# Altium PCB HAL.PcbDoc
Units mil, origin at the board's own origin, x right, y up, seen from the top; angles counter-clockwise.
Board outline 6000.17 x 4710.28 mil, 4 copper layers (Top Layer, MGND, Vcc, MGND (Bottom)), stack 23.756 mil thick; 122 components, 65 nets, 365 pads, 77 vias.
Unrouted connection lines stored in the file: 1.
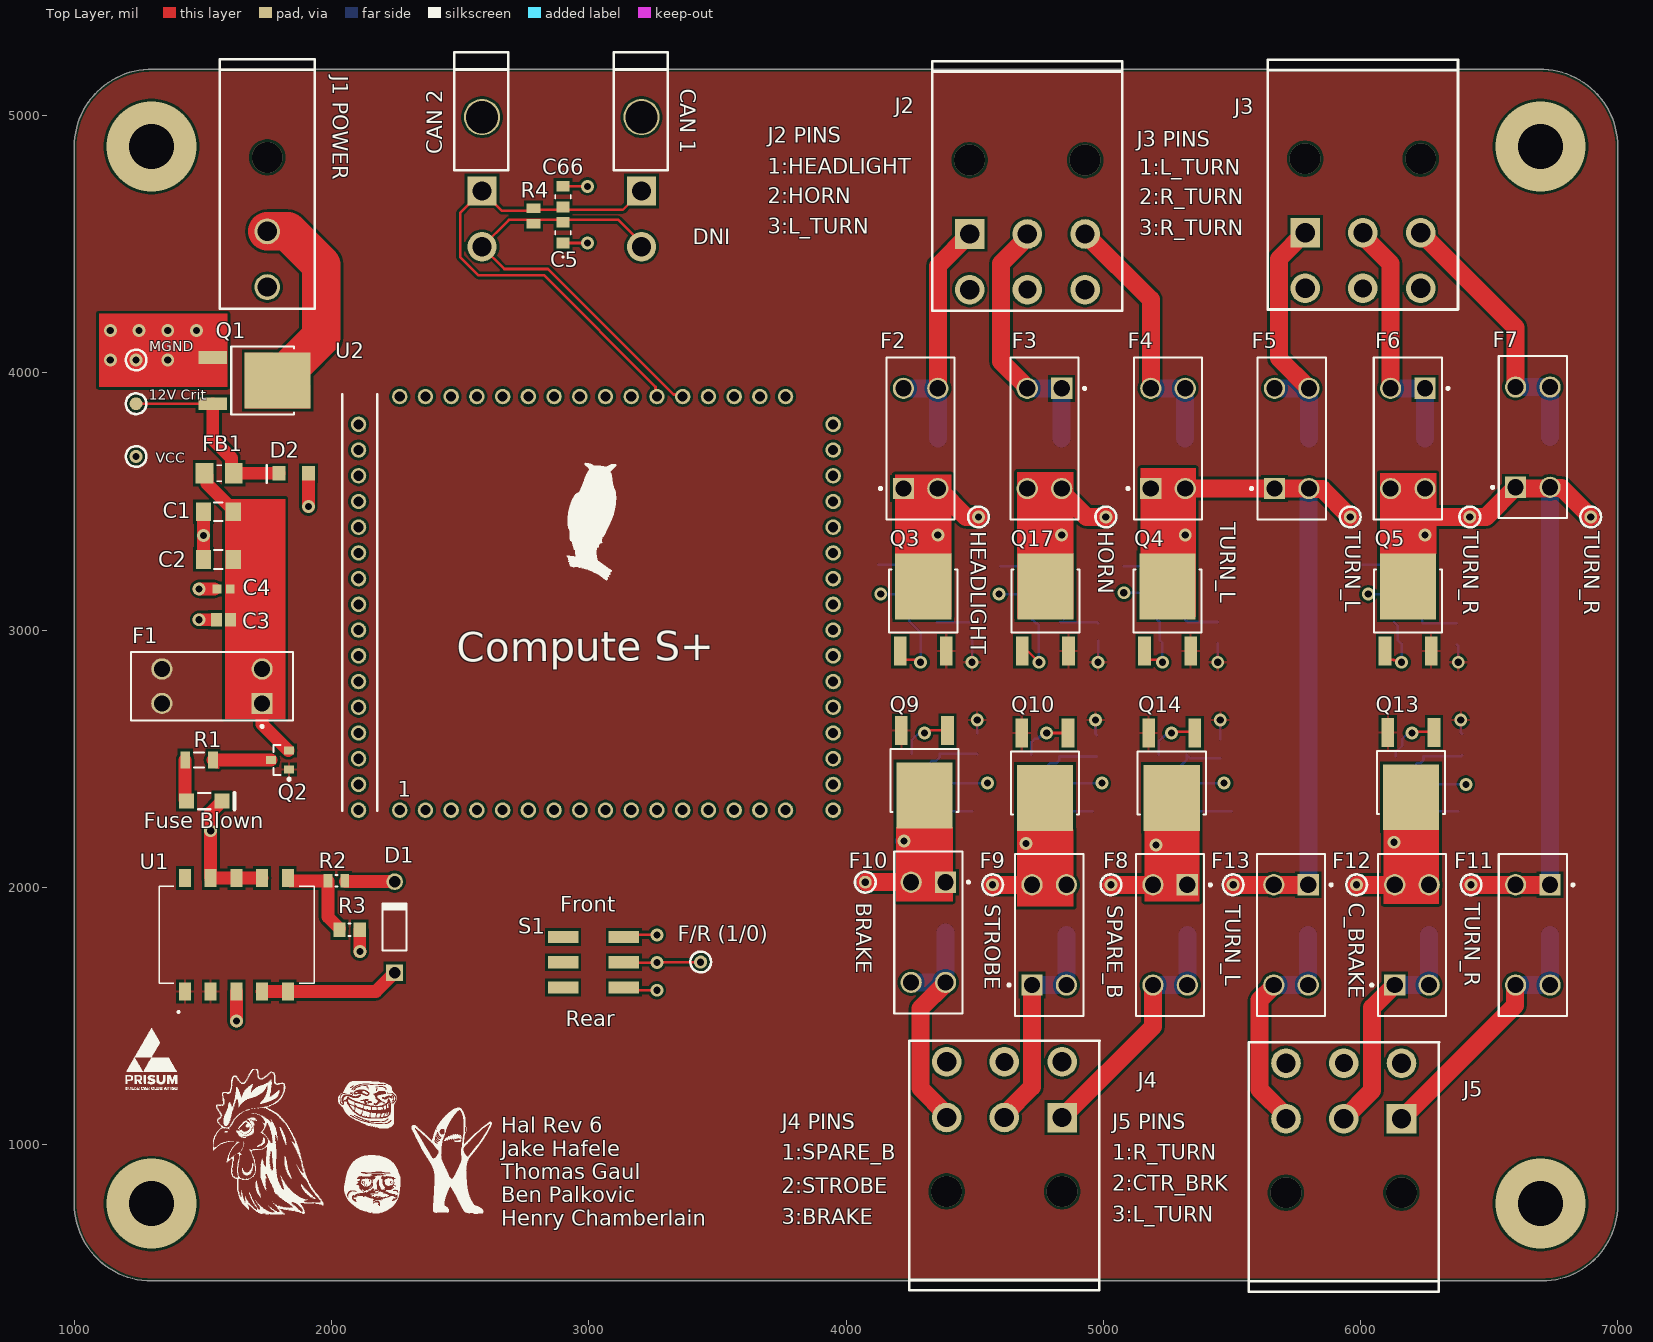
[diagram p0: Top Layer view]
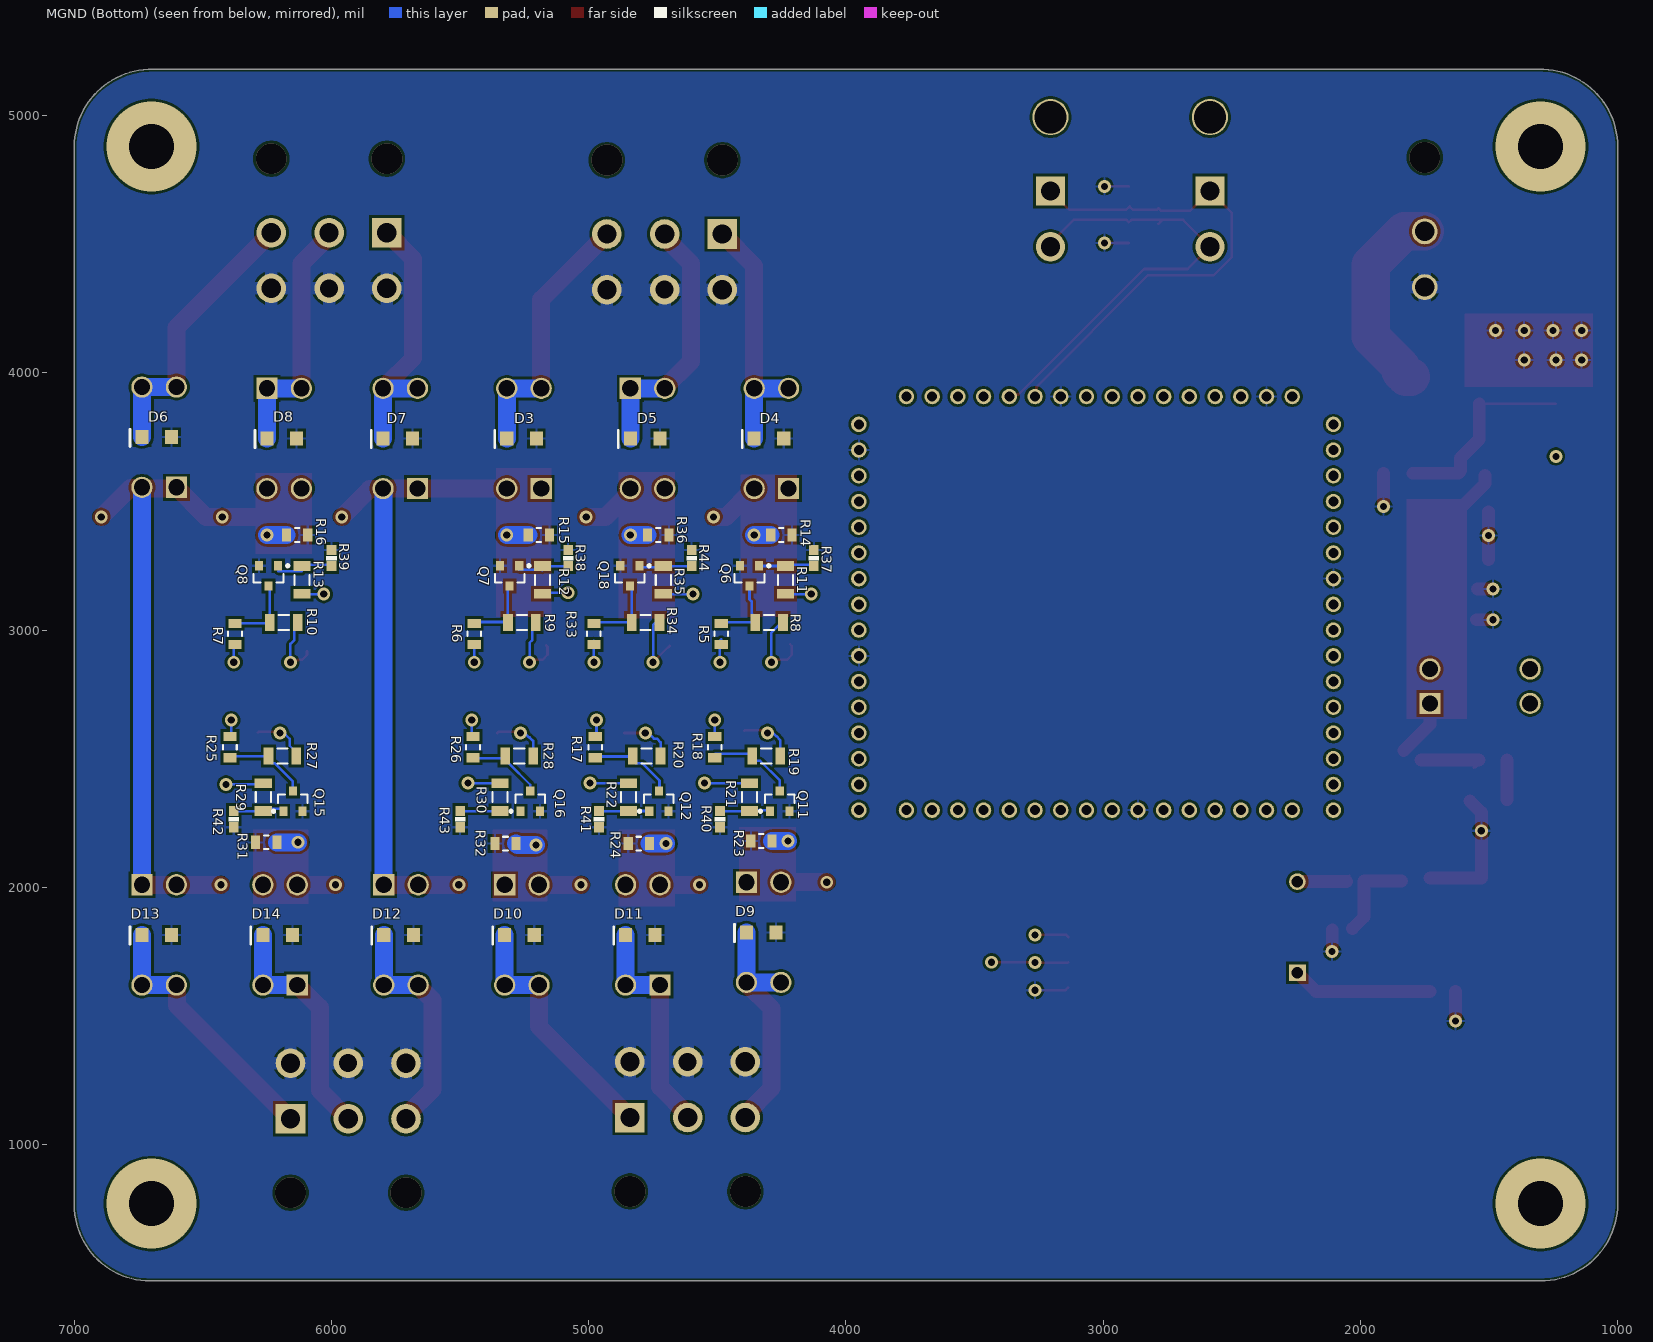
[diagram p1: MGND (Bottom) view, seen from below]
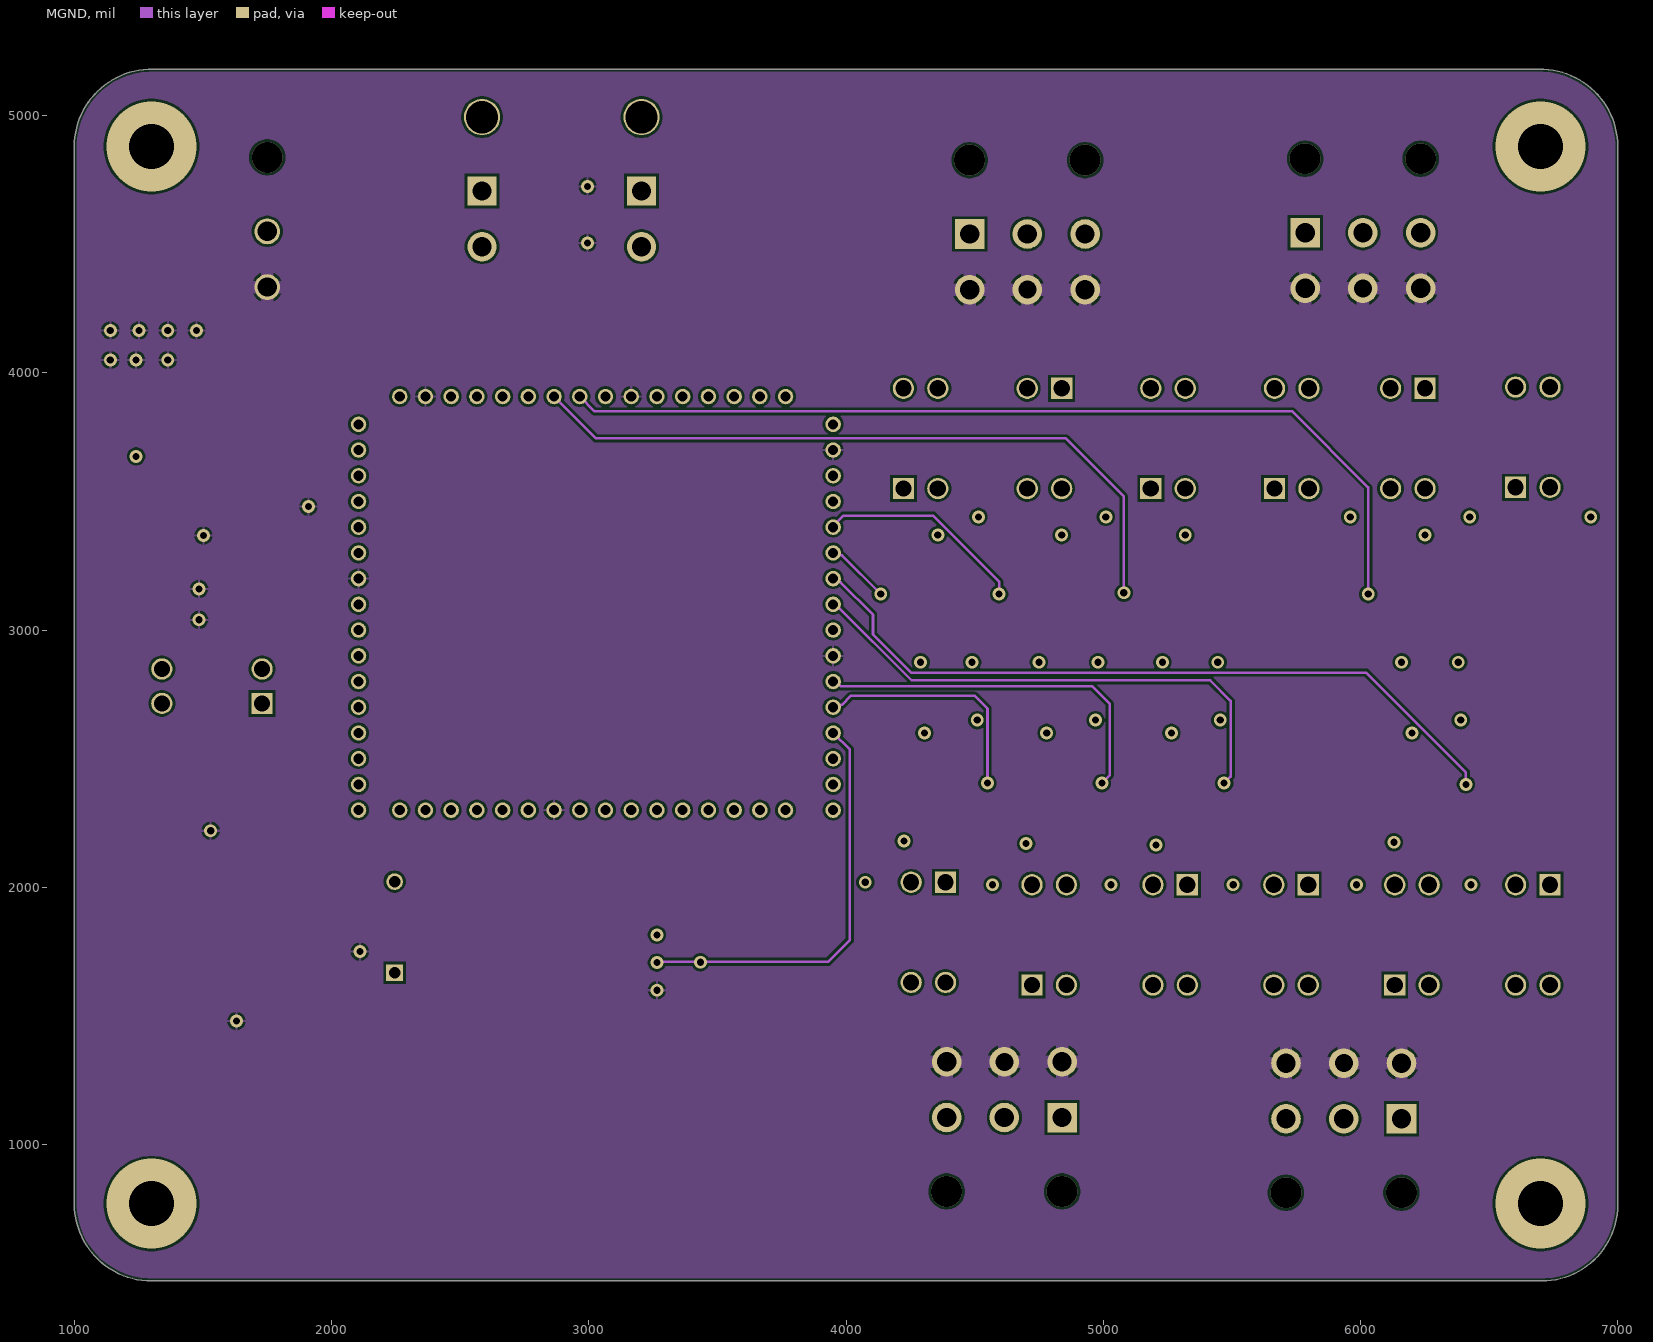
[diagram p2: MGND]
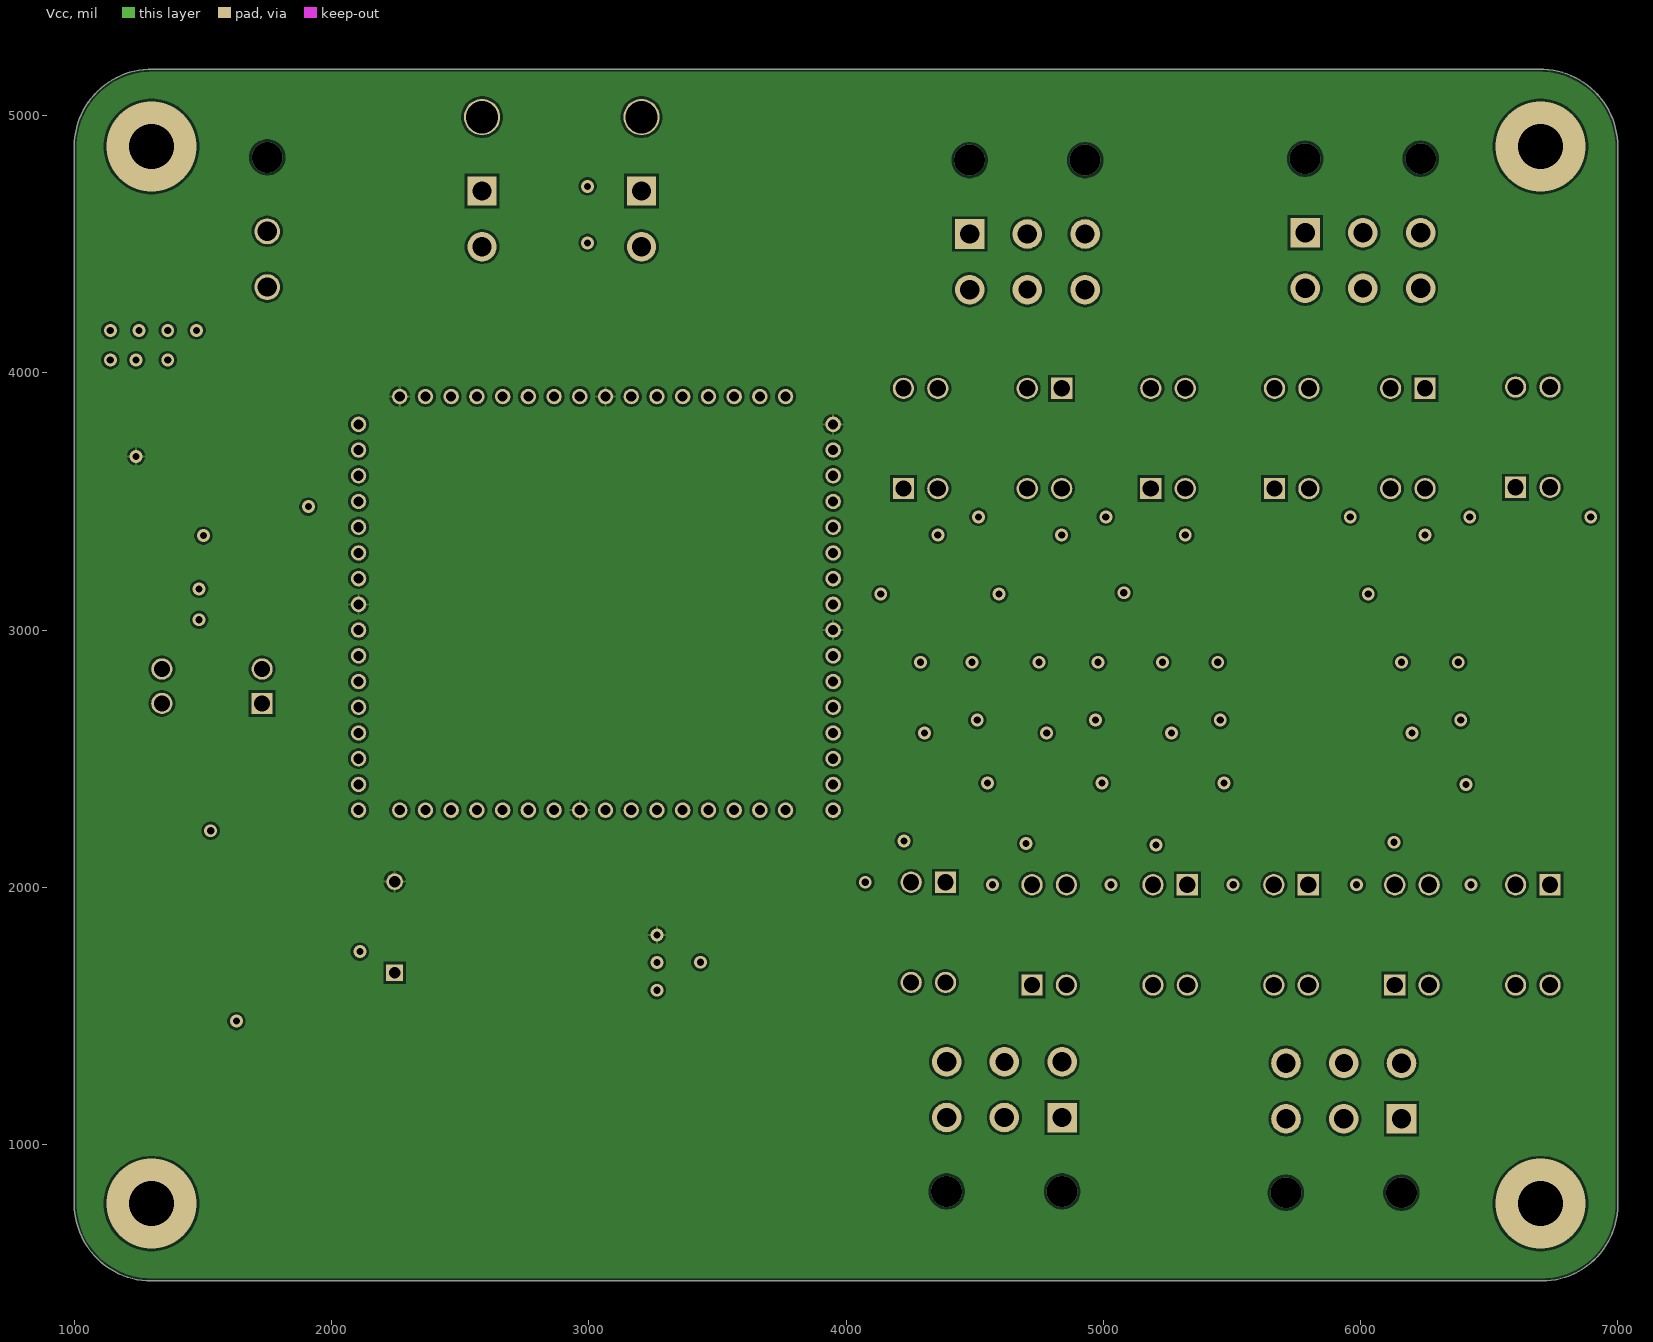
[diagram p3: Vcc]
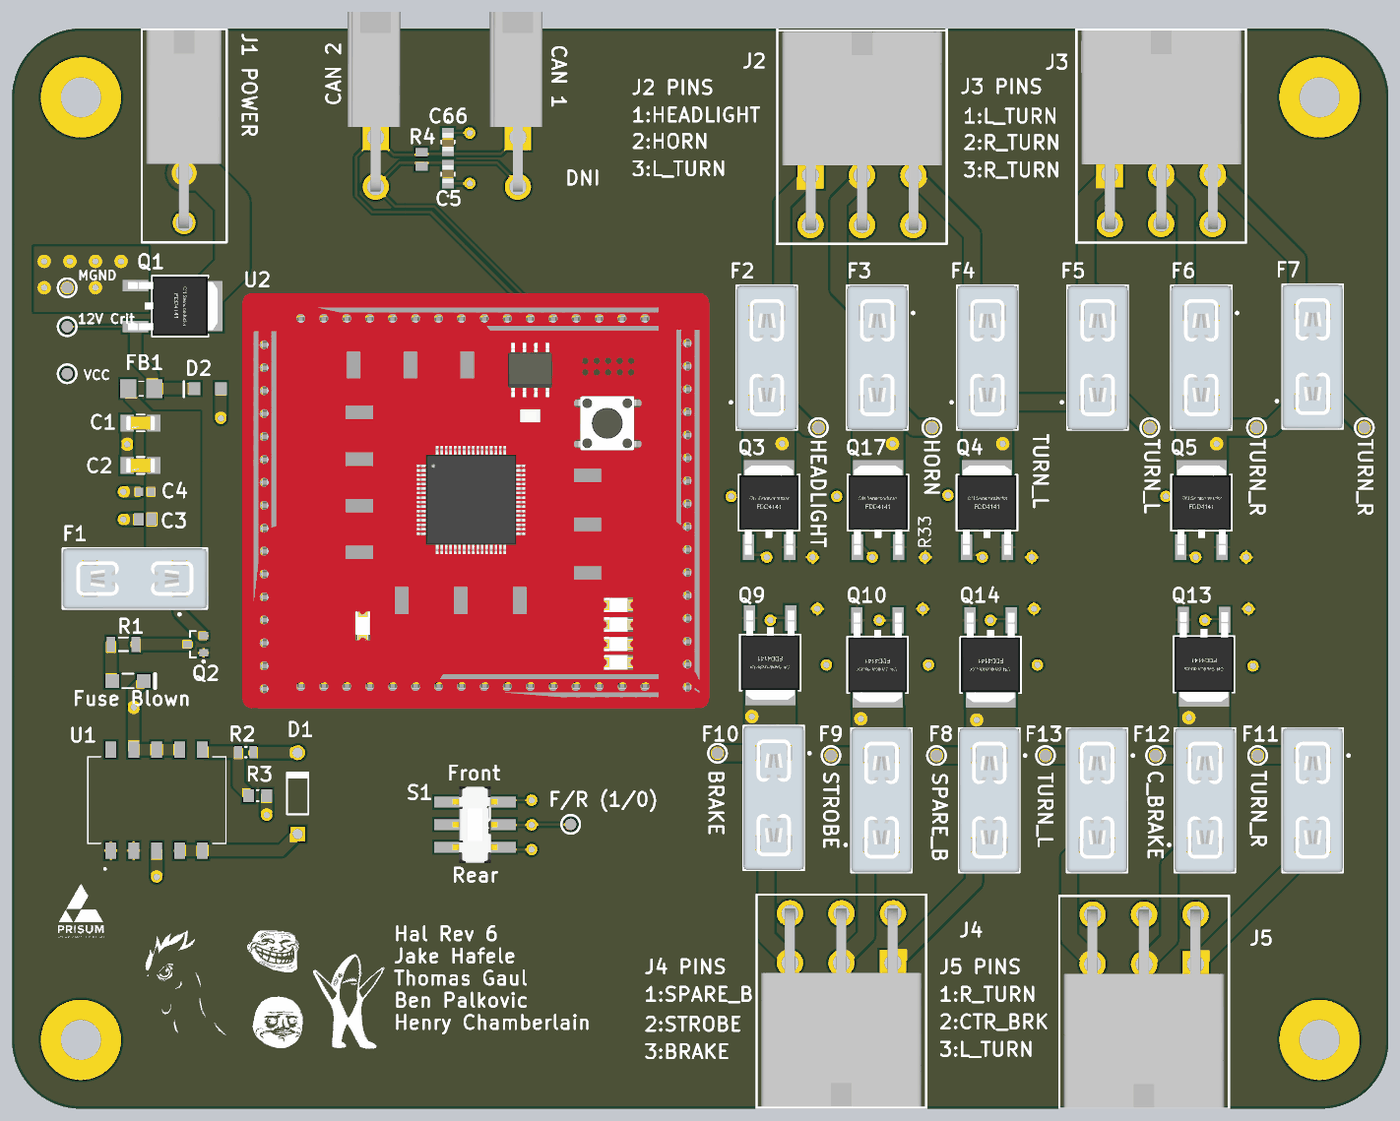
[diagram p4: 3D render of the assembled board from above, using the file's embedded part models]

## Layer stack, top to bottom
Top Solder: solder mask 0.4, Solder Resist, Dk 3.5
Top Layer: signal copper 1.4
Dielectric 2: prepreg 2.8, PP-006, Dk 4.1
MGND: signal copper 1.378
Dielectric 1: dielectric 12.6, FR-4, Dk 4.8
Vcc: signal copper 1.378
Dielectric 3: prepreg 2.8, PP-006, Dk 4.1
MGND (Bottom): signal copper 1.4
Bottom Solder: solder mask 0.4, Solder Resist, Dk 3.5

## Board outline
999.83,770 ccw(c1300,770) 1300,469.83 6704.83,469.83 6705.01,470.01 ccw(c6705.01,765) 7000,765 7000,4880 ccw(c6700,4880) 6694.12,5179.94 6693.94,5180.12 1305.46,5180.12 ccw(c1300,4880) 999.83,4880

## Design rules (kind name [scope] priority, off if disabled: settings)
BoardOutlineClearance [All] p1: gap=10 ignorepadtopadclearanceinfootprint=FALSE except(0: Arc-SplitContinuation Track-SplitContinuation SMDPad-SplitContinuation THPad-SplitContinuation Via-SplitContinuation Fill-SplitContinuation Poly-SplitContinuation Region-SplitContinuation Text-SplitContinuation)
Clearance [All] p1: gap=10 ignorepadtopadclearanceinfootprint=FALSE except(0: Arc-Hole Track-Hole SMDPad-Hole THPad-Hole Via-Hole Fill-Hole Poly-Hole Region-Hole Text-Hole)
PolygonConnect [All] p1: connectstyle=Relief reliefconductorwidth=10 reliefentries=4 polygonreliefangle="90 Angle" airgapwidth=10
RoutingVias [All] p1: holewidth=28 width=50 viastyle="Through Hole" minholewidth=28 minwidth=50 maxholewidth=28 maxwidth=50
SolderMaskExpansion [All] p1: expansion=4 istentingtop=FALSE
Width "Schematic Width Constraint_20" [InNet('NetD3_3')] p1: maxlimit=70 minlimit=10 preferedwidth=70 toplayer_minwidth=70 midlayer1_maxwidth=10 midlayer2_maxwidth=10 bottomlayer_minwidth=70 minimp=50.000000 maximp=50.000000 favimp=50.000000
Width "Schematic Width Constraint_19" [InNet('NetD13_3')] p2: maxlimit=70 minlimit=10 preferedwidth=70 toplayer_minwidth=70 midlayer1_maxwidth=10 midlayer2_maxwidth=10 bottomlayer_minwidth=70 minimp=50.000000 maximp=50.000000 favimp=50.000000
Width "Schematic Width Constraint_18" [InNet('NetD9_3')] p3: maxlimit=70 minlimit=10 preferedwidth=70 toplayer_minwidth=70 midlayer1_maxwidth=10 midlayer2_maxwidth=10 bottomlayer_minwidth=70 minimp=50.000000 maximp=50.000000 favimp=50.000000
Width "Schematic Width Constraint_17" [InNet('NetD10_3')] p4: maxlimit=70 minlimit=10 preferedwidth=70 toplayer_minwidth=70 midlayer1_maxwidth=10 midlayer2_maxwidth=10 bottomlayer_minwidth=70 minimp=50.000000 maximp=50.000000 favimp=50.000000
Width "Schematic Width Constraint_16" [InNet('NetD14_3')] p5: maxlimit=70 minlimit=10 preferedwidth=70 toplayer_minwidth=70 midlayer1_maxwidth=10 midlayer2_maxwidth=10 bottomlayer_minwidth=70 minimp=50.000000 maximp=50.000000 favimp=50.000000
Width "Schematic Width Constraint_15" [InNet('NetD11_3')] p6: maxlimit=70 minlimit=10 preferedwidth=70 toplayer_minwidth=70 midlayer1_maxwidth=10 midlayer2_maxwidth=10 bottomlayer_minwidth=70 minimp=50.000000 maximp=50.000000 favimp=50.000000
Width "Schematic Width Constraint_14" [InNet('NetD12_3')] p7: maxlimit=70 minlimit=10 preferedwidth=70 toplayer_minwidth=70 midlayer1_maxwidth=10 midlayer2_maxwidth=10 bottomlayer_minwidth=70 minimp=50.000000 maximp=50.000000 favimp=50.000000
Width "Schematic Width Constraint_13" [InNet('NetD5_3')] p8: maxlimit=70 minlimit=10 preferedwidth=70 toplayer_minwidth=70 midlayer1_maxwidth=10 midlayer2_maxwidth=10 bottomlayer_minwidth=70 minimp=50.000000 maximp=50.000000 favimp=50.000000
Width "Schematic Width Constraint_11" [InNet('NetD7_3')] p9: maxlimit=70 minlimit=10 preferedwidth=70 toplayer_minwidth=70 midlayer1_maxwidth=10 midlayer2_maxwidth=10 bottomlayer_minwidth=70 minimp=50.000000 maximp=50.000000 favimp=50.000000
Width "Schematic Width Constraint_10" [InNet('NetD4_3')] p10: maxlimit=70 minlimit=10 preferedwidth=70 toplayer_minwidth=70 midlayer1_maxwidth=10 midlayer2_maxwidth=10 bottomlayer_minwidth=70 minimp=50.000000 maximp=50.000000 favimp=50.000000
Width "Schematic Width Constraint_9" [InNet('NetD8_3')] p11: maxlimit=70 minlimit=10 preferedwidth=70 toplayer_minwidth=70 midlayer1_maxwidth=10 midlayer2_maxwidth=10 bottomlayer_minwidth=70 minimp=50.000000 maximp=50.000000 favimp=50.000000
Width "Schematic Width Constraint_8" [InNet('NetD6_3')] p12: maxlimit=70 minlimit=10 preferedwidth=70 toplayer_minwidth=70 midlayer1_maxwidth=10 midlayer2_maxwidth=10 bottomlayer_minwidth=70 minimp=50.000000 maximp=50.000000 favimp=50.000000
Width "Schematic Width Constraint_7" [InNet('HORN')] p13: maxlimit=70 minlimit=10 preferedwidth=70 toplayer_minwidth=70 midlayer1_maxwidth=10 midlayer2_maxwidth=10 bottomlayer_minwidth=70 minimp=50.000000 maximp=50.000000 favimp=50.000000
Width "Schematic Width Constraint_6" [InNet('STROBE')] p14: maxlimit=70 minlimit=10 preferedwidth=70 toplayer_minwidth=70 midlayer1_maxwidth=10 midlayer2_maxwidth=10 bottomlayer_minwidth=70 minimp=50.000000 maximp=50.000000 favimp=50.000000
Width "Schematic Width Constraint_5" [InNet('TURN_SIGNAL_R')] p15: maxlimit=70 minlimit=10 preferedwidth=70 toplayer_minwidth=70 midlayer1_maxwidth=10 midlayer2_maxwidth=10 bottomlayer_minwidth=70 minimp=50.000000 maximp=50.000000 favimp=50.000000
Width "Schematic Width Constraint_4" [InNet('BRAKE')] p16: maxlimit=70 minlimit=10 preferedwidth=70 toplayer_minwidth=70 midlayer1_maxwidth=10 midlayer2_maxwidth=10 bottomlayer_minwidth=70 minimp=50.000000 maximp=50.000000 favimp=50.000000
Width "Schematic Width Constraint_3" [InNet('SPARE_B')] p17: maxlimit=70 minlimit=10 preferedwidth=70 toplayer_minwidth=70 midlayer1_maxwidth=10 midlayer2_maxwidth=10 bottomlayer_minwidth=70 minimp=50.000000 maximp=50.000000 favimp=50.000000
Width "Schematic Width Constraint_2" [InNet('TURN_SIGNAL_L')] p18: maxlimit=70 minlimit=10 preferedwidth=70 toplayer_minwidth=70 midlayer1_maxwidth=10 midlayer2_maxwidth=10 bottomlayer_minwidth=70 minimp=50.000000 maximp=50.000000 favimp=50.000000
Width "Schematic Width Constraint_1" [InNet('CENTER_BRAKE')] p19: maxlimit=70 minlimit=10 preferedwidth=70 toplayer_minwidth=70 midlayer1_maxwidth=10 midlayer2_maxwidth=10 bottomlayer_minwidth=70 minimp=50.000000 maximp=50.000000 favimp=50.000000
Width "Schematic Width Constraint" [InNet('HEADLIGHT')] p20: maxlimit=70 minlimit=10 preferedwidth=70 toplayer_minwidth=70 midlayer1_maxwidth=10 midlayer2_maxwidth=10 bottomlayer_minwidth=70 minimp=50.000000 maximp=50.000000 favimp=50.000000
Width [All] p21: maxlimit=150 minlimit=10 preferedwidth=10 midlayer1_maxwidth=70 midlayer2_maxwidth=70 bottomlayer_maxwidth=70 minimp=50.000000 maximp=50.000000 favimp=50.000000
30 further rules are at their usual default settings.

## Classes and differential pairs
component class HAL_3: BRAKE C_BRAKE D9 D10 D11 D12 D13 D14 F8 F9 F10 F11 F12 F13 J4 J5 SPARE_B STROBE
component class HAL_5: Q13 Q14 Q15 Q16 Q17 Q18 R25 R26 R27 R28 R29 R30 R31 R32 R33 R34 R35 R36 R42 R43 R44
component class HAL_4: "F/R (1/0)" Q3 Q4 Q5 Q6 Q7 Q8 Q9 Q10 Q11 Q12 R5 R6 R7 R8 R9 R10 R11 R12 R13 R14 R15 R16 R17 R18 R19 R20 R21 R22 R23 R24 R37 R38 R39 R40 R41 S1
component class HAL_1: "12V Crit" C1 C2 C3 C4 C5 C66 "CAN 1" "CAN 2" D1 D2 F1 FB1 "Fuse Blown" "J1 POWER" MGND PS Q1 Q2 R1 R2 R3 R4 U1 U2 VCC
component class HAL_2: D3 D4 D5 D6 D7 D8 F2 F3 F4 F5 F6 F7 HEADLIGHT HORN J2 J3

## Components (designator, comment, footprint, x,y, rotation, side; value= is the part's Value field where it differs from the comment)
"12V Crit" "12V crit" EPAD 1240,3880 r0 top (schematic designator 12V)
BRAKE "BRAKE" EPAD 4075,2019.88 r0 top (schematic designator E17)
C1 "1 uF" FP-CL31-IPC_A 1560,3460 r180 top
C2 "10 uF" FP-CL31-IPC_A 1560,3275 r180 top
C3 ".1 uF" CAPC2013X140X50LL20T25 1580,3040 r0 top
C4 ".01 uF" CAPC1608X90X35LL15T15 1580,3160 r0 top
C5 "10 pF" CAP_CL21_SAM-M 2900,4545 r90 top
C66 "10 pF" CAP_CL21_SAM-M 2900,4685 r270 top
C_BRAKE "CENTER_BRAKE" EPAD 5985,2009.88 r0 top (schematic designator E20)
"CAN 1" "CAN" "Mini-Fit Jr. 2" 3205,4825 r180 top
"CAN 2" "CAN" "Mini-Fit Jr. 2" 2585,4825 r180 top
D1 "1N4001-T" DIOD-DO-41-P-2_V 2245,1845 r90 top
D2 "TVS DIODE 12.4V 20.1V DO219AB" "TVS DIODE 12.4V 20.1V DO219AB" 1852,3610 r0 top
D3 "TVS DIODE 12.4V 20.1V DO219AB" "TVS DIODE 12.4V 20.1V DO219AB" 5261.74,3745 r180 bottom
D4 "TVS DIODE 12.4V 20.1V DO219AB" "TVS DIODE 12.4V 20.1V DO219AB" 4299.93,3745 r180 bottom
D5 "TVS DIODE 12.4V 20.1V DO219AB" "TVS DIODE 12.4V 20.1V DO219AB" 4781.31,3745 r180 bottom
D6 "TVS DIODE 12.4V 20.1V DO219AB" "TVS DIODE 12.4V 20.1V DO219AB" 6679.93,3750 r180 bottom
D7 "TVS DIODE 12.4V 20.1V DO219AB" "TVS DIODE 12.4V 20.1V DO219AB" 5742.65,3745 r180 bottom
D8 "TVS DIODE 12.4V 20.1V DO219AB" "TVS DIODE 12.4V 20.1V DO219AB" 6194.02,3745 r180 bottom
D9 "TVS DIODE 12.4V 20.1V DO219AB" "TVS DIODE 12.4V 20.1V DO219AB" 4329.93,1825 r180 bottom
D10 "TVS DIODE 12.4V 20.1V DO219AB" "TVS DIODE 12.4V 20.1V DO219AB" 5269.93,1815 r180 bottom
D11 "TVS DIODE 12.4V 20.1V DO219AB" "TVS DIODE 12.4V 20.1V DO219AB" 4799.93,1815 r180 bottom
D12 "TVS DIODE 12.4V 20.1V DO219AB" "TVS DIODE 12.4V 20.1V DO219AB" 5739.93,1815 r180 bottom
D13 "TVS DIODE 12.4V 20.1V DO219AB" "TVS DIODE 12.4V 20.1V DO219AB" 6679.93,1815 r180 bottom
D14 "TVS DIODE 12.4V 20.1V DO219AB" "TVS DIODE 12.4V 20.1V DO219AB" 6209.93,1815 r180 bottom
F1 "3568" KSTN-3568_V 1535.12,2781.93 r180 top
F2 "3568" KSTN-3568_V 4290,3745 r90 top
F3 "3568" KSTN-3568_V 4771.38,3745 r270 top
F4 "3568" KSTN-3568_V 5251.81,3745 r90 top
F5 "3568" KSTN-3568_V 5732.72,3745 r90 top
F6 "3568" KSTN-3568_V 6184.09,3745 r270 top
F7 "3568" KSTN-3568_V 6670,3750 r90 top
F8 "3568" KSTN-3568_V 5260,1815 r270 top
F9 "3568" KSTN-3568_V 4790,1815 r90 top
F10 "3568" KSTN-3568_V 4320,1825 r270 top
F11 "3568" KSTN-3568_V 6670,1815 r270 top
F12 "3568" KSTN-3568_V 6200,1815 r90 top
F13 "3568" KSTN-3568_V 5730,1815 r270 top
"F/R (1/0)" "F/R Selector" EPAD 3435,1710 r0 top (schematic designator "F/R Selector")
FB1 "HI1206N800R-10" 80_FB_1206 1563.11,3610 r180 top value=80R
"Fuse Blown" "HSMH-C150" AVAG-HSMX-C150_V 1505,2335 r0 top (schematic designator Fault1)
HEADLIGHT "HEADLIGHT" EPAD 4515,3440 r0 top (schematic designator E8)